# Altium PCB ARES_R30_Power.PcbDoc (part 1 of 3) (continued)
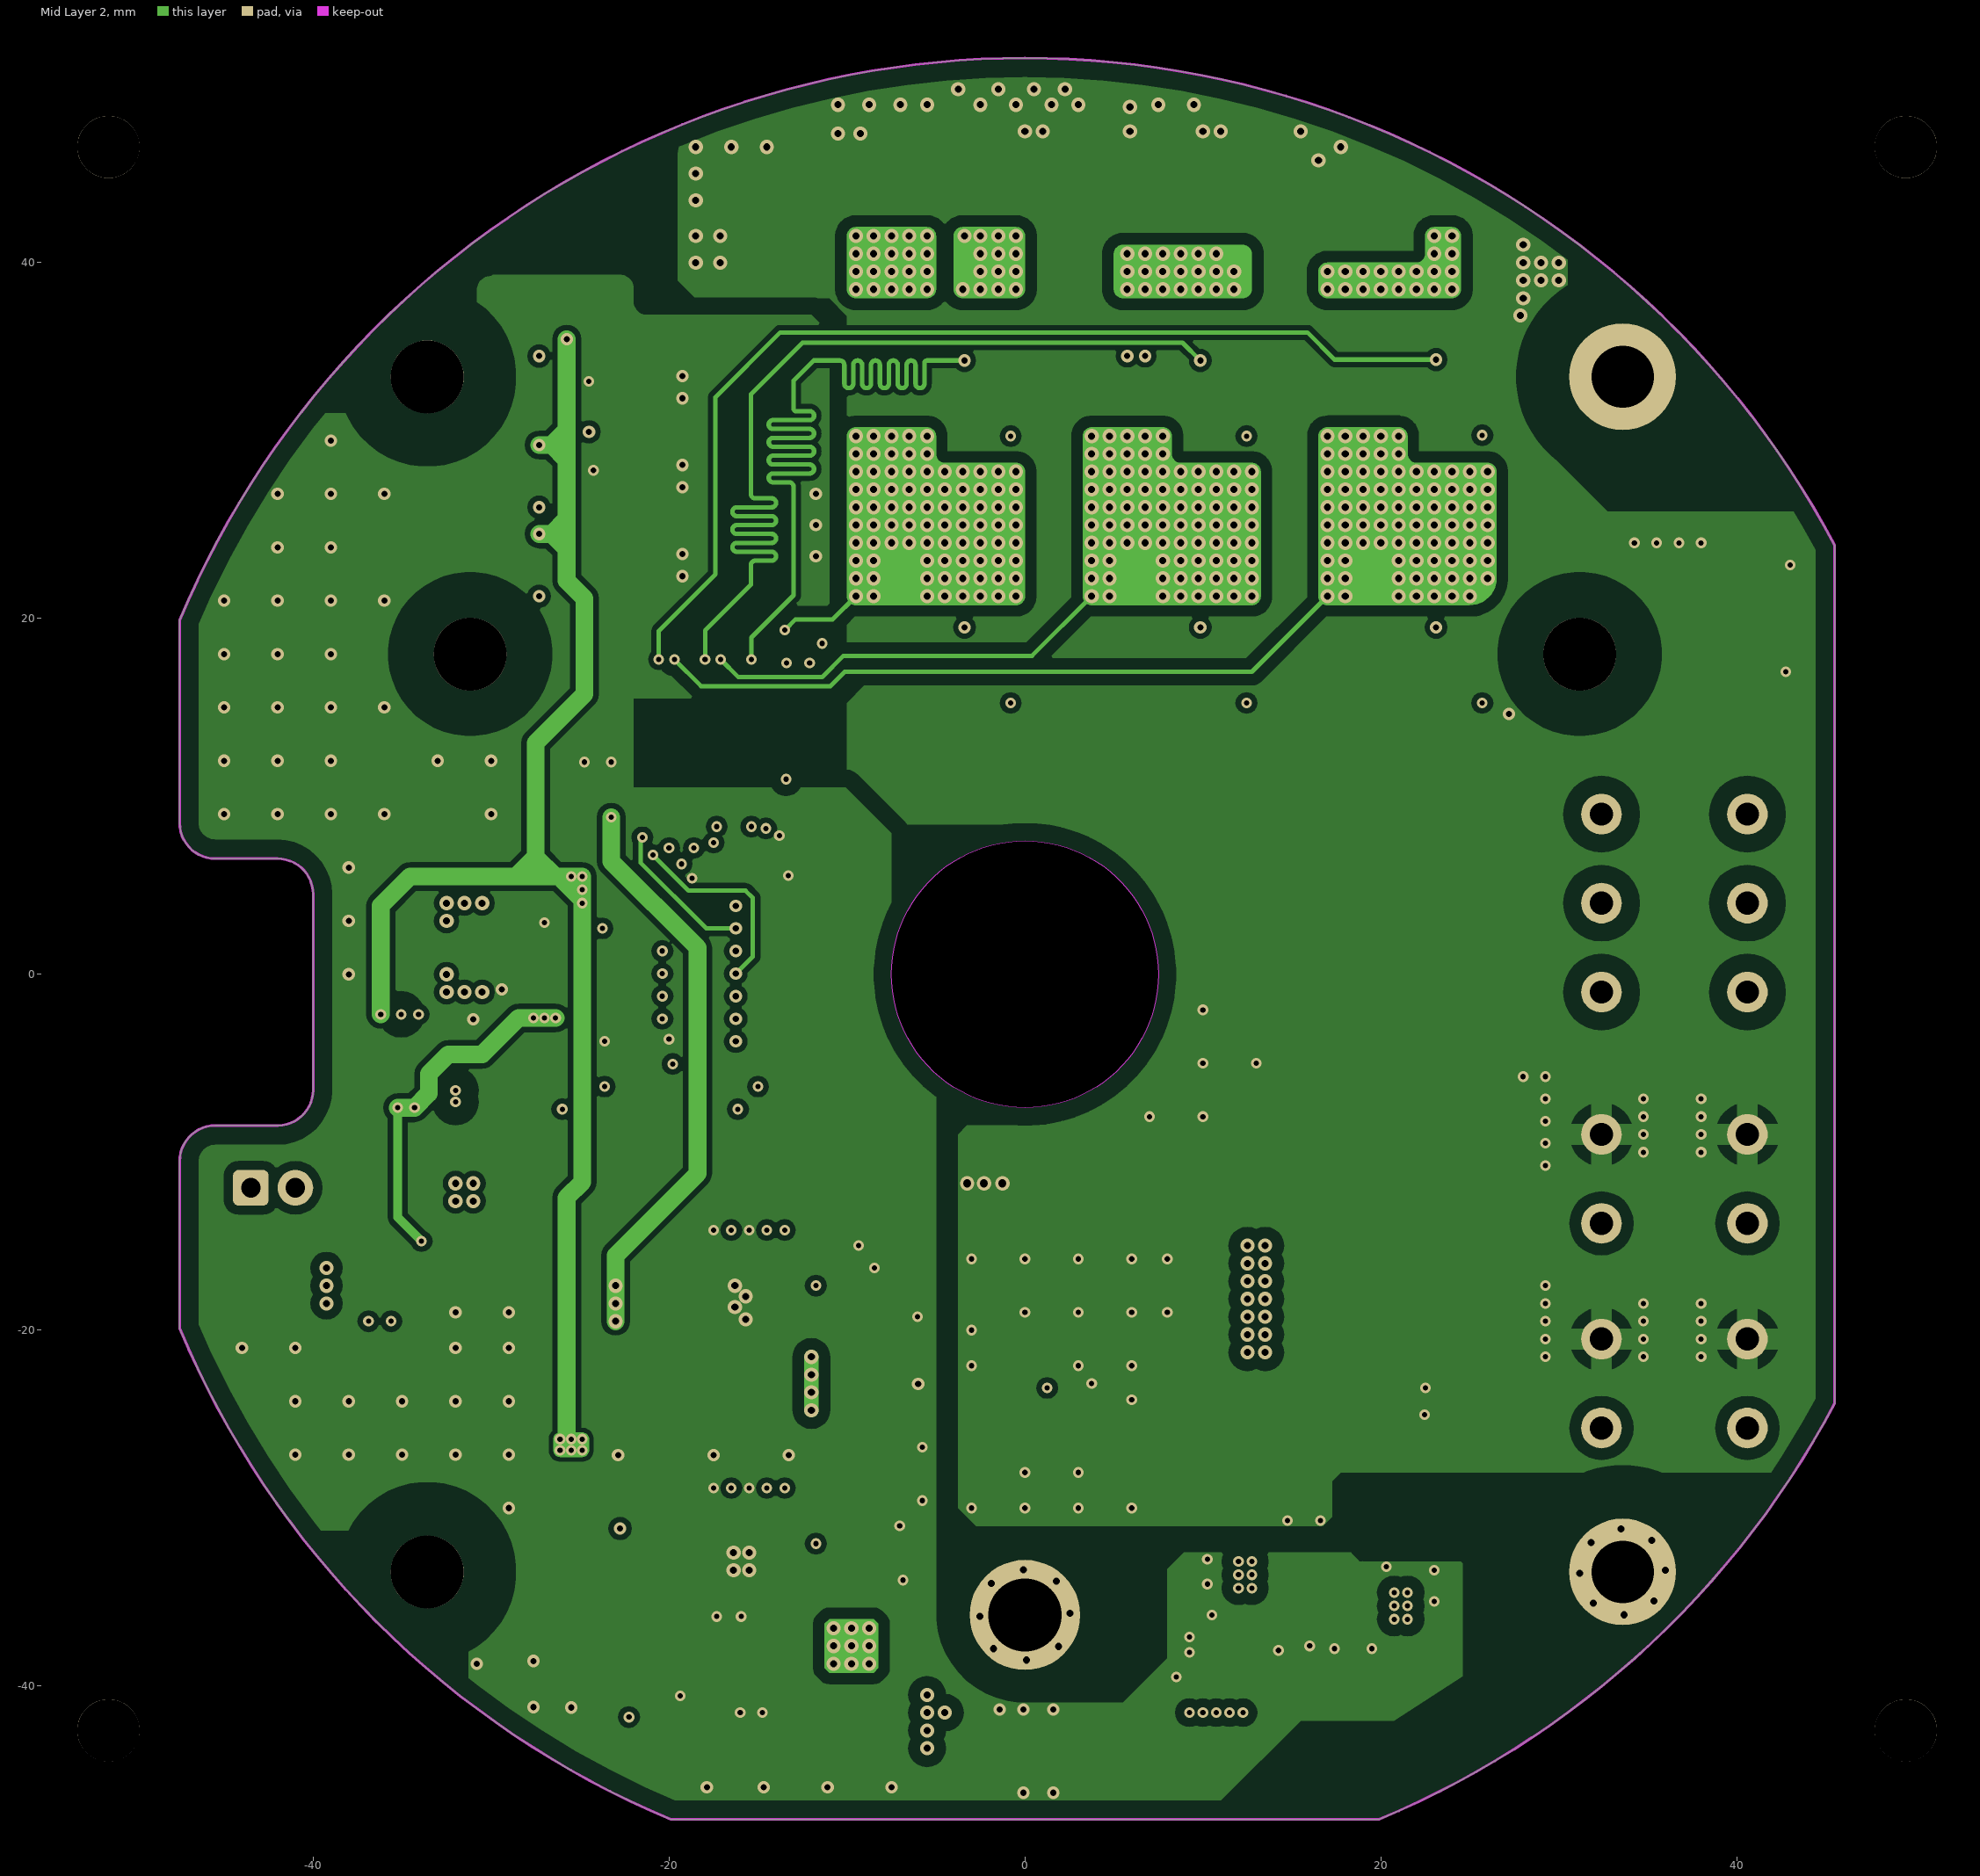
[diagram p3: Mid Layer 2]
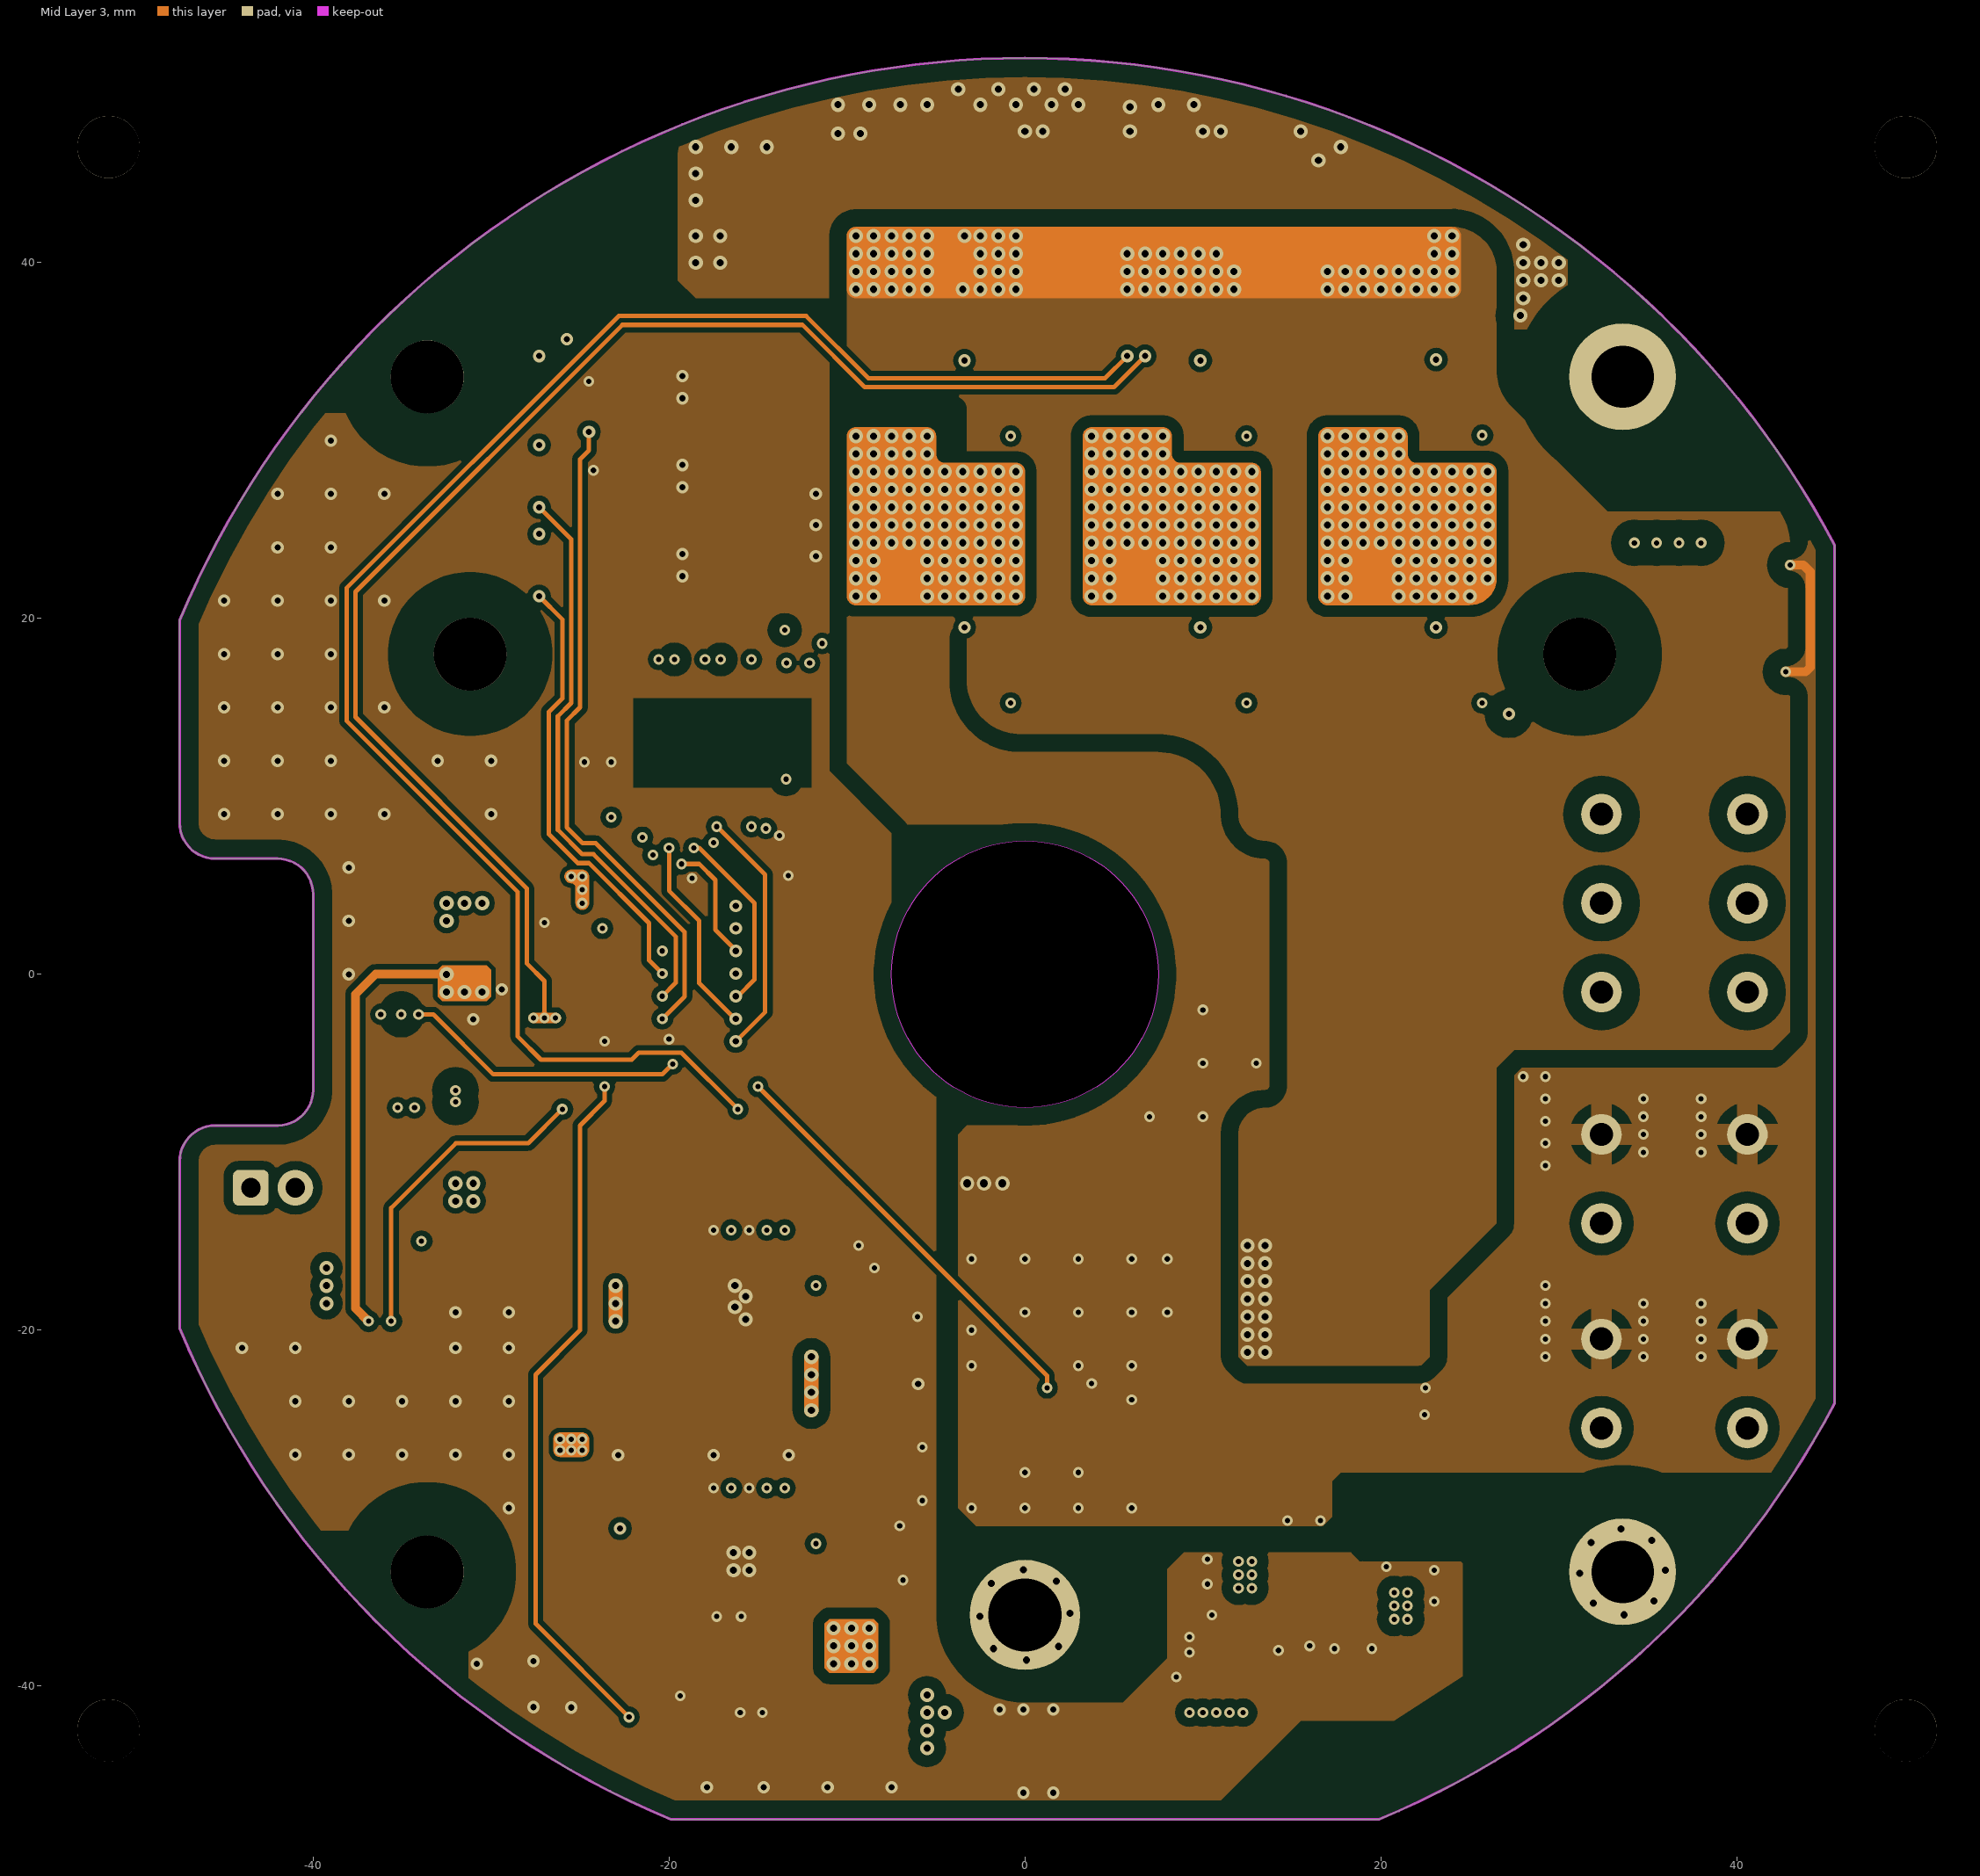
[diagram p4: Mid Layer 3]
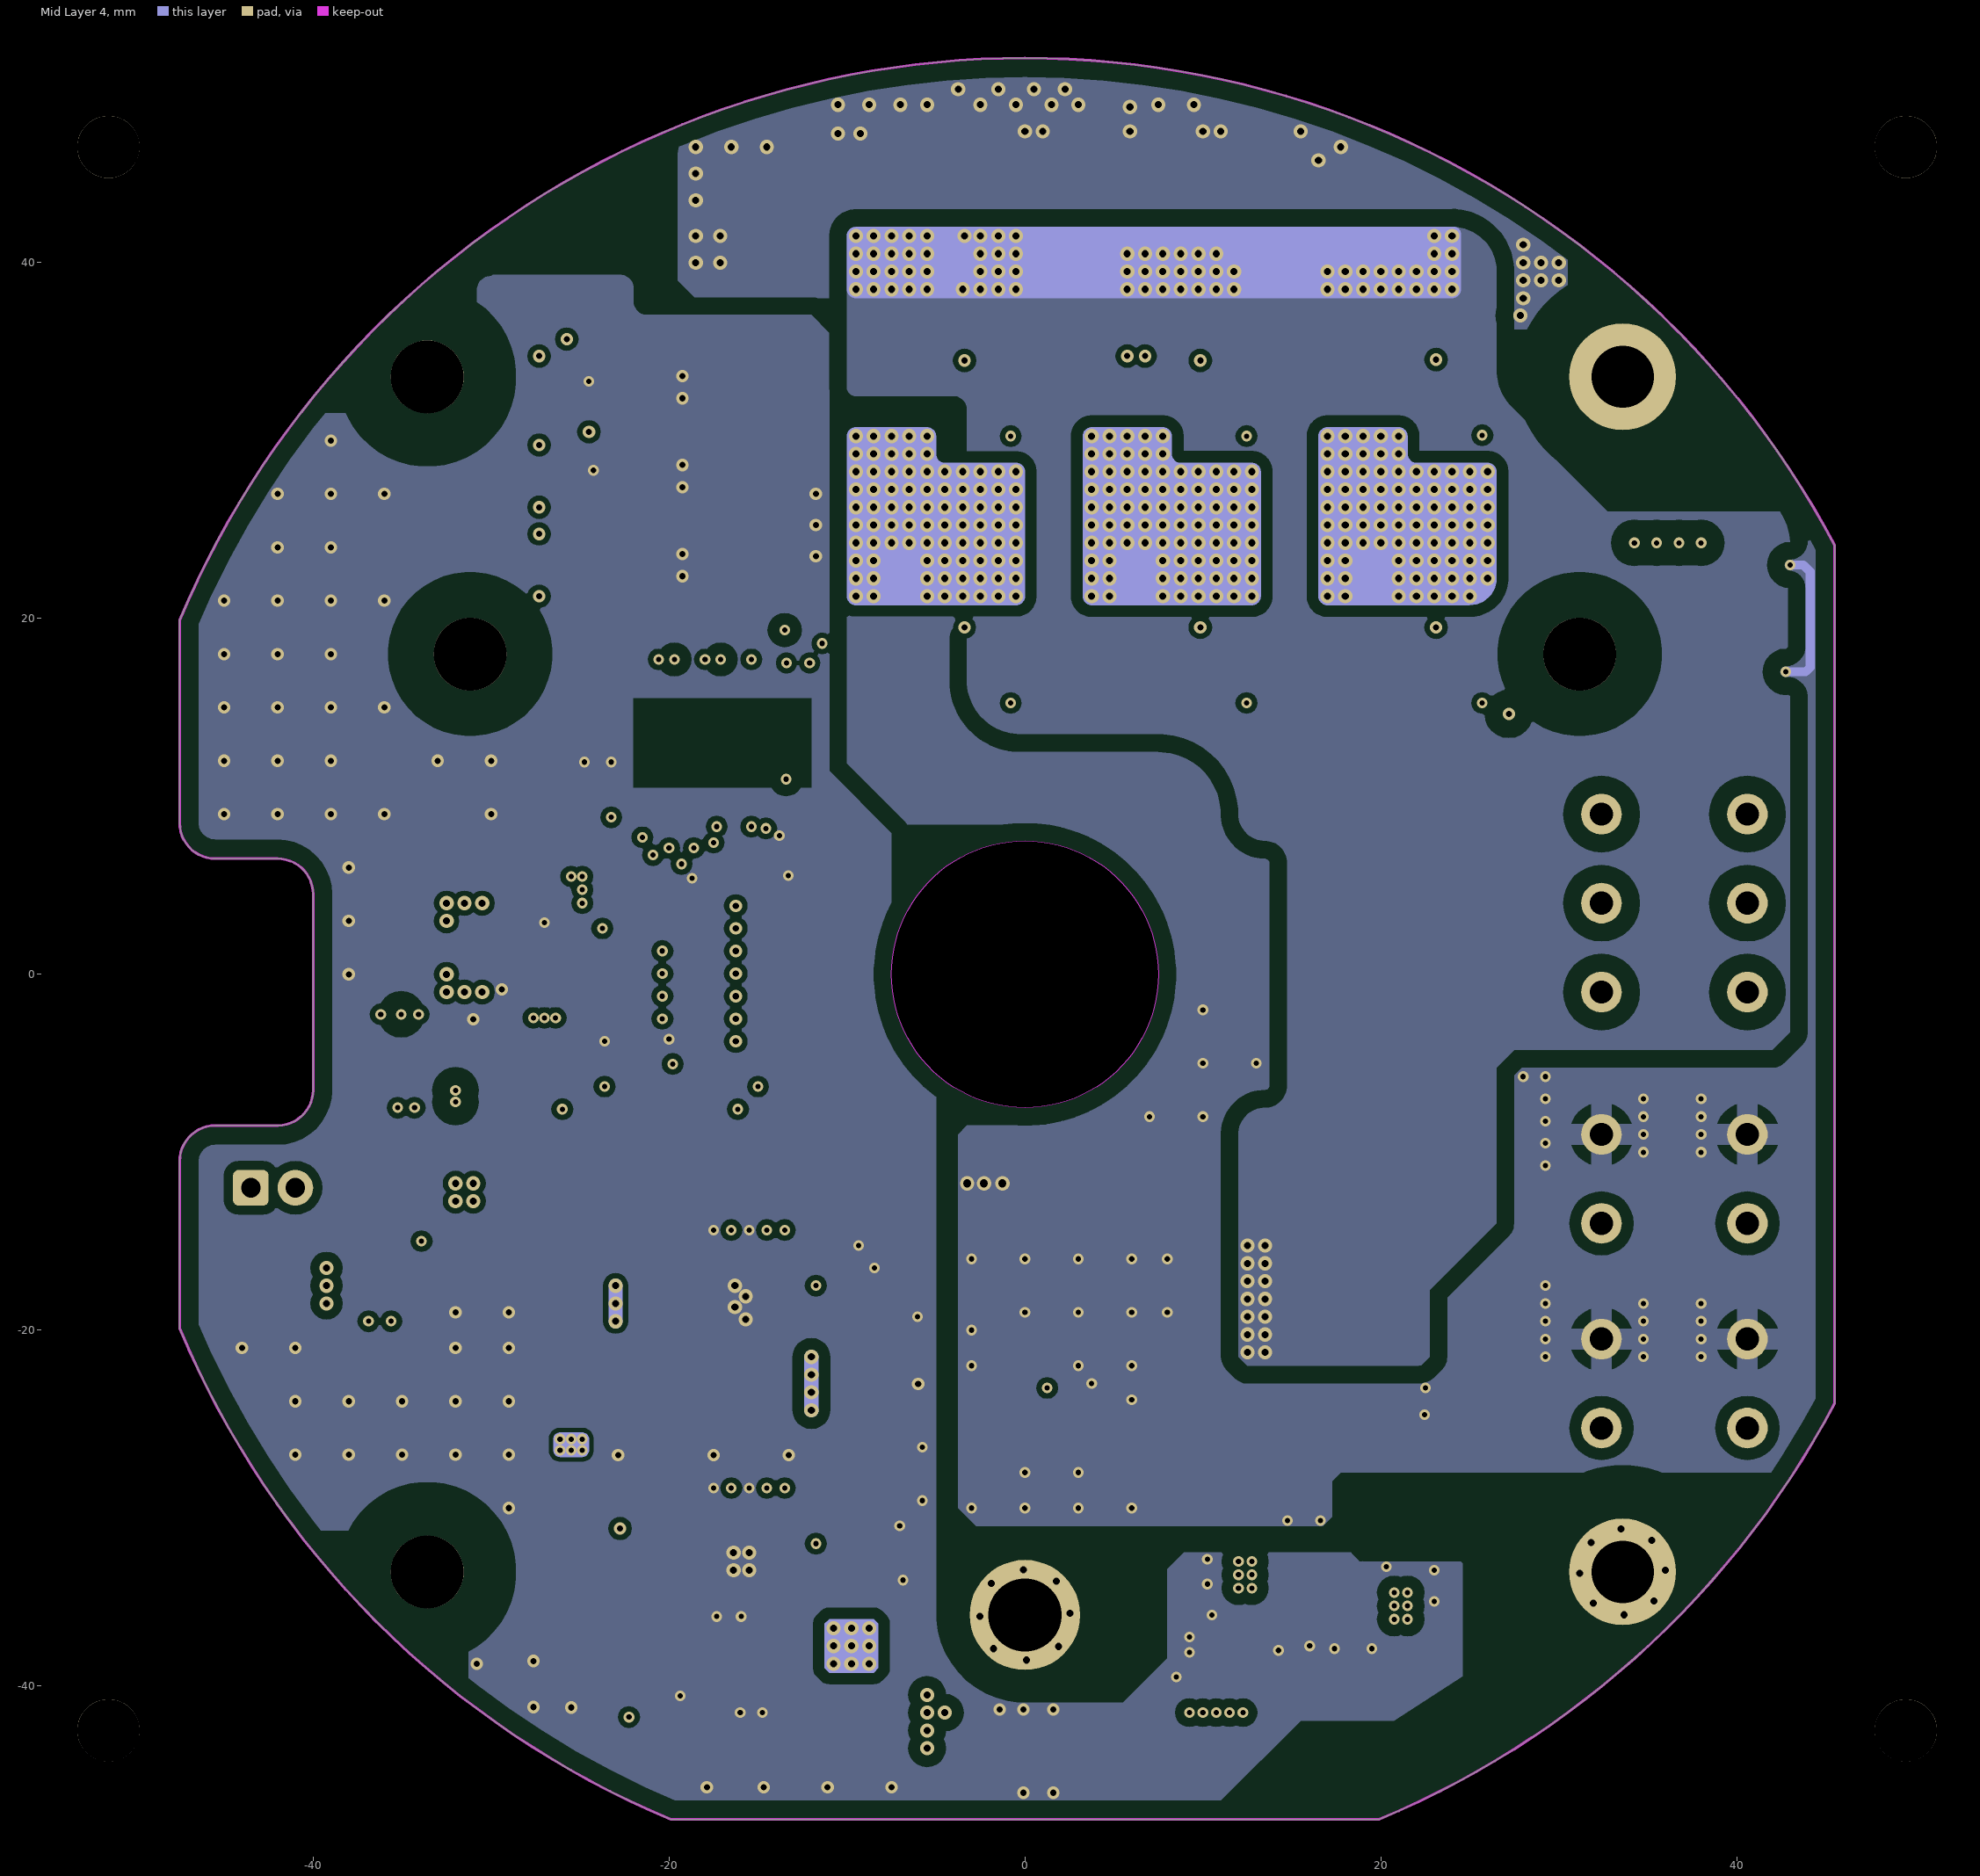
[diagram p5: Mid Layer 4]

## Layer stack, top to bottom
Top Solder: solder mask 0.01, Solder Resist, Dk 3.5
Top Layer: signal copper 0.035
Dielectric 1: prepreg 0.25, FR-4, Dk 4.2
Mid Layer 1: signal copper 0.035
Dielectric 3: core 0.25, Dk 4.2
Mid Layer 2: signal copper 0.035
Dielectric 4: prepreg 0.37, Dk 4.2
Mid Layer 3: signal copper 0.035
Dielectric 5: core 0.25, Dk 4.2
Mid Layer 4: signal copper 0.035
Dielectric 2: prepreg 0.25, Dk 4.2
Bottom Layer: signal copper 0.035
Bottom Solder: solder mask 0.01, Solder Resist, Dk 3.5

## Board outline
-47.5,-19.9 -47.5,-10.5 cw(c-45.5,-10.5) -45.5,-8.5 -41.957,-8.497 ccw(c-41.996,-6.502) -40,-6.5 -40,4.5 ccw(c-42,4.5) -42,6.5 -45.5,6.5 cw(c-45.5,8.5) -47.5,8.5 -47.5,19.9 cw(c0,0) 0,51.5 cw(c0,-0.001) 45.5,24.125 45.5,-24.125 cw(c0,0.001) 19.9,-47.5 -19.9,-47.5 cw(c0,0)
cut-out: 0,-7.5 cw(c0,0) -7.5,0 cw(c0,0) 0,7.5 cw(c0,0) 7.5,0 cw(c0,0)

## Design rules (kind name [scope] priority, off if disabled: settings)
BoardOutlineClearance [All] p1: gap=1 ignorepadtopadclearanceinfootprint=FALSE
Clearance Clearance_brk [InNet('NetBRK_1') or InNet('BRK-') or InNet('BRK+') or InNet('netc113_2') vs InPolygon] p1: gap=0.5 ignorepadtopadclearanceinfootprint=FALSE
Clearance Clearance_fg [InNet('FG') vs InPolygon] p2: gap=1 ignorepadtopadclearanceinfootprint=FALSE
Clearance Clearance_motor1 [InNetClass('Motor1')] p3: gap=0.25 ignorepadtopadclearanceinfootprint=FALSE except(0.2: Arc-Arc Arc-Track Arc-Via Track-Track Track-Via SMDPad-Via THPad-Via Via-Via; 0.5: Region-Region; 1: Arc-Poly Track-Poly SMDPad-Poly THPad-Poly Via-Poly Fill-Poly Poly-Poly Poly-Region)
Clearance Clearance_power1 [InNetClass('power1') vs InPolygon] p4: gap=1 ignorepadtopadclearanceinfootprint=FALSE except(0.15: SMDPad-SMDPad; 0.2: Arc-Arc Arc-Track Arc-SMDPad Arc-THPad Arc-Via Track-Track Track-SMDPad Track-THPad Track-Via SMDPad-THPad SMDPad-Via THPad-THPad THPad-Via Via-Via; 0.25: Arc-Text Arc-Hole Track-Text Track-Hole SMDPad-Text SMDPad-Hole THPad-Text THPad-Hole Via-Text Via-Hole Fill-Text Fill-Hole Poly-Text Poly-Hole Region-Text Region-Hole Text-Text Text-Hole)
Clearance Clearance_power2 [InNetClass('power2') vs InPolygon] p5: gap=0.65 ignorepadtopadclearanceinfootprint=FALSE except(0: Arc-Hole Track-Hole SMDPad-Hole THPad-Hole Via-Hole Fill-Hole Poly-Hole Region-Hole Text-Hole)
Clearance Clearance_Keepout [OnLayer('Keep-Out Layer') vs InPolygon] p6: gap=1 ignorepadtopadclearanceinfootprint=FALSE
Clearance Clearance_U7 [InComponent('U0101') or InComponent('U0202')] p7: gap=0.25 ignorepadtopadclearanceinfootprint=FALSE except(0.2: Arc-SMDPad Track-SMDPad Track-Via SMDPad-SMDPad; 0.35: Arc-Poly Track-Poly SMDPad-Poly THPad-Poly Via-Poly Fill-Poly Poly-Poly)
Clearance [All] p8: gap=0.25 ignorepadtopadclearanceinfootprint=FALSE except(0.15: SMDPad-SMDPad; 0.2: Arc-Arc Arc-Track Arc-SMDPad Arc-THPad Arc-Via Arc-Region Track-Track Track-SMDPad Track-THPad Track-Via Track-Region SMDPad-THPad SMDPad-Via SMDPad-Fill SMDPad-Region THPad-THPad THPad-Via THPad-Region Via-Via Fill-Fill Fill-Region; 0.3: Arc-Poly Track-Poly SMDPad-Poly THPad-Poly Via-Poly Fill-Poly Poly-Poly)
DiffPairsRouting [All] p1: maxlimit=0.5 minlimit=0.25 mostfreqgap=0.254 toplayer_prefgap=0.35 toplayer_minwidth=0.25 toplayer_maxwidth=0.5 toplayer_prefwidth=0.35 midlayer1_mingap=0.254 midlayer1_maxgap=0.254 midlayer1_minwidth=0.381 midlayer1_maxwidth=0.381 midlayer1_prefwidth=0.381 midlayer2_mingap=0.254 midlayer2_maxgap=0.254 midlayer2_minwidth=0.381 midlayer2_maxwidth=0.381 midlayer2_prefwidth=0.381 midlayer3_mingap=0.254 midlayer3_maxgap=0.254 midlayer3_minwidth=0.381 midlayer3_maxwidth=0.381 midlayer3_prefwidth=0.381 midlayer4_mingap=0.254 midlayer4_maxgap=0.254 midlayer4_minwidth=0.381 midlayer4_maxwidth=0.381 midlayer4_prefwidth=0.381 bottomlayer_prefgap=0.35 bottomlayer_minwidth=0.25 bottomlayer_maxwidth=0.5 bottomlayer_prefwidth=0.35 substack1={D1FC8DB9-57B8-4EFE-B1BD-9587D9824D8E} toplayer_{d1fc8db9-57b8-4efe-b1bd-9587d9824d8e}_minwidth=0.381 toplayer_{d1fc8db9-57b8-4efe-b1bd-9587d9824d8e}_maxwidth=0.381 toplayer_{d1fc8db9-57b8-4efe-b1bd-9587d9824d8e}_prefwidth=0.381 midlayer1_{d1fc8db9-57b8-4efe-b1bd-9587d9824d8e}_minwidth=0.381 midlayer1_{d1fc8db9-57b8-4efe-b1bd-9587d9824d8e}_maxwidth=0.381 midlayer1_{d1fc8db9-57b8-4efe-b1bd-9587d9824d8e}_prefwidth=0.381 midlayer2_{d1fc8db9-57b8-4efe-b1bd-9587d9824d8e}_minwidth=0.381 midlayer2_{d1fc8db9-57b8-4efe-b1bd-9587d9824d8e}_maxwidth=0.381 midlayer2_{d1fc8db9-57b8-4efe-b1bd-9587d9824d8e}_prefwidth=0.381 midlayer3_{d1fc8db9-57b8-4efe-b1bd-9587d9824d8e}_minwidth=0.381 midlayer3_{d1fc8db9-57b8-4efe-b1bd-9587d9824d8e}_maxwidth=0.381 midlayer3_{d1fc8db9-57b8-4efe-b1bd-9587d9824d8e}_prefwidth=0.381 midlayer4_{d1fc8db9-57b8-4efe-b1bd-9587d9824d8e}_minwidth=0.381 midlayer4_{d1fc8db9-57b8-4efe-b1bd-9587d9824d8e}_maxwidth=0.381 midlayer4_{d1fc8db9-57b8-4efe-b1bd-9587d9824d8e}_prefwidth=0.381 bottomlayer_{d1fc8db9-57b8-4efe-b1bd-9587d9824d8e}_minwidth=0.381 bottomlayer_{d1fc8db9-57b8-4efe-b1bd-9587d9824d8e}_maxwidth=0.381 bottomlayer_{d1fc8db9-57b8-4efe-b1bd-9587d9824d8e}_prefwidth=0.381 maxuncoupledlength=0.5
HoleSize [All] p1 off: absolutevalues=TRUE maxlimit=3.5 minlimit=0.025 maxpercent=80.000 minpercent=20.000
MinimumSolderMaskSliver [All] p1 off: minsoldermaskwidth=0.254
PasteMaskExpansion [All] p1 off: expansion=0
PlaneClearance PlaneClearance_Via [IsVia] p1: clearance=0.3
PlaneClearance [All] p2: clearance=0.5
PlaneConnect [All] p1: pad.planeconnectstyle=Relief pad.reliefexpansion=0.25 pad.reliefentries=4 pad.reliefconductorwidth=0.35 pad.reliefairgap=0.25 via.planeconnectstyle=Direct via.reliefexpansion=0.25 via.reliefentries=4 via.reliefconductorwidth=0.35 via.reliefairgap=0.25
PolygonConnect PolygonConnect_TB2 [InComponent('VPin') OR InComponent('VPout') OR InComponent('VCin') OR InComponent('VCout')] p1: thpad.connectstyle=Relief thpad.reliefconductorwidth=1.2 thpad.reliefentries=4 thpad.polygonreliefangle="90 Angle" thpad.airgapwidth=0.65 smdpad.connectstyle=Direct smdpad.reliefconductorwidth=0.254 smdpad.reliefentries=4 smdpad.polygonreliefangle="90 Angle" smdpad.airgapwidth=0.254 via.connectstyle=Direct via.reliefconductorwidth=0.254 via.reliefentries=4 via.polygonreliefangle="90 Angle" via.airgapwidth=0.254
PolygonConnect PolygonConnect_POWER [InNetClass('power1') or InNetClass('power2')] p2: connectstyle=Direct reliefconductorwidth=0.254 reliefentries=4 polygonreliefangle="90 Angle" airgapwidth=0.254
PolygonConnect [All] p3: thpad.connectstyle=Relief thpad.reliefconductorwidth=0.5 thpad.reliefentries=4 thpad.polygonreliefangle="45 Angle" thpad.airgapwidth=0.3 smdpad.connectstyle=Relief smdpad.reliefconductorwidth=0.3 smdpad.reliefentries=4 smdpad.polygonreliefangle="90 Angle" smdpad.airgapwidth=0.3 via.connectstyle=Direct via.reliefconductorwidth=0.25 via.reliefentries=4 via.polygonreliefangle="90 Angle" via.airgapwidth=0.35
RoutingVias [All] p1: holewidth=0.35 width=0.7 viastyle="Through Hole" minholewidth=0.3 minwidth=0.6 maxholewidth=0.45 maxwidth=0.8
SilkToSilkClearance [All] p1: silktosilkclearance=0.01
SilkToSolderMaskClearance SilkscreenOverComponentPads [IsPad] p1 off: minsilkscreentomaskgap=0.01 clearancetoexposedcopper=TRUE
SolderMaskExpansion SolderMaskExpansion_Via [IsVia] p1: expansion=-0.5 istentingtop=FALSE
SolderMaskExpansion [All] p2: expansion=0.05 istentingtop=FALSE
Width [All] p1: maxlimit=3.75 minlimit=0.25 preferedwidth=0.5 substack1={D1FC8DB9-57B8-4EFE-B1BD-9587D9824D8E}
22 further rules are at their usual default settings.

## Classes and differential pairs
net class power1: DGND PGND
net class power2: DGND DRV_COM PGND PH_U PH_V PH_W V24C V24in V48in V48P
net class motor1: MOT_U MOT_V MOT_W

## Components (designator, comment, footprint, x,y, rotation, side; value= is the part's Value field where it differs from the comment)
/FLT "TP" TP-SMD -24.75,2.58 r0 top
BRK "DF1B-2P" DF1B-2P-2.5DSA -42.25,-12 r0 top
BRK+ "TP" TP-SMD -38.081,-16.731 r270 top
BRK- "TP" TP-SMD -36.25,-12 r180 top